# Altium PCB LAY-94611_B.PcbDoc (part 12 of 16) (continued)
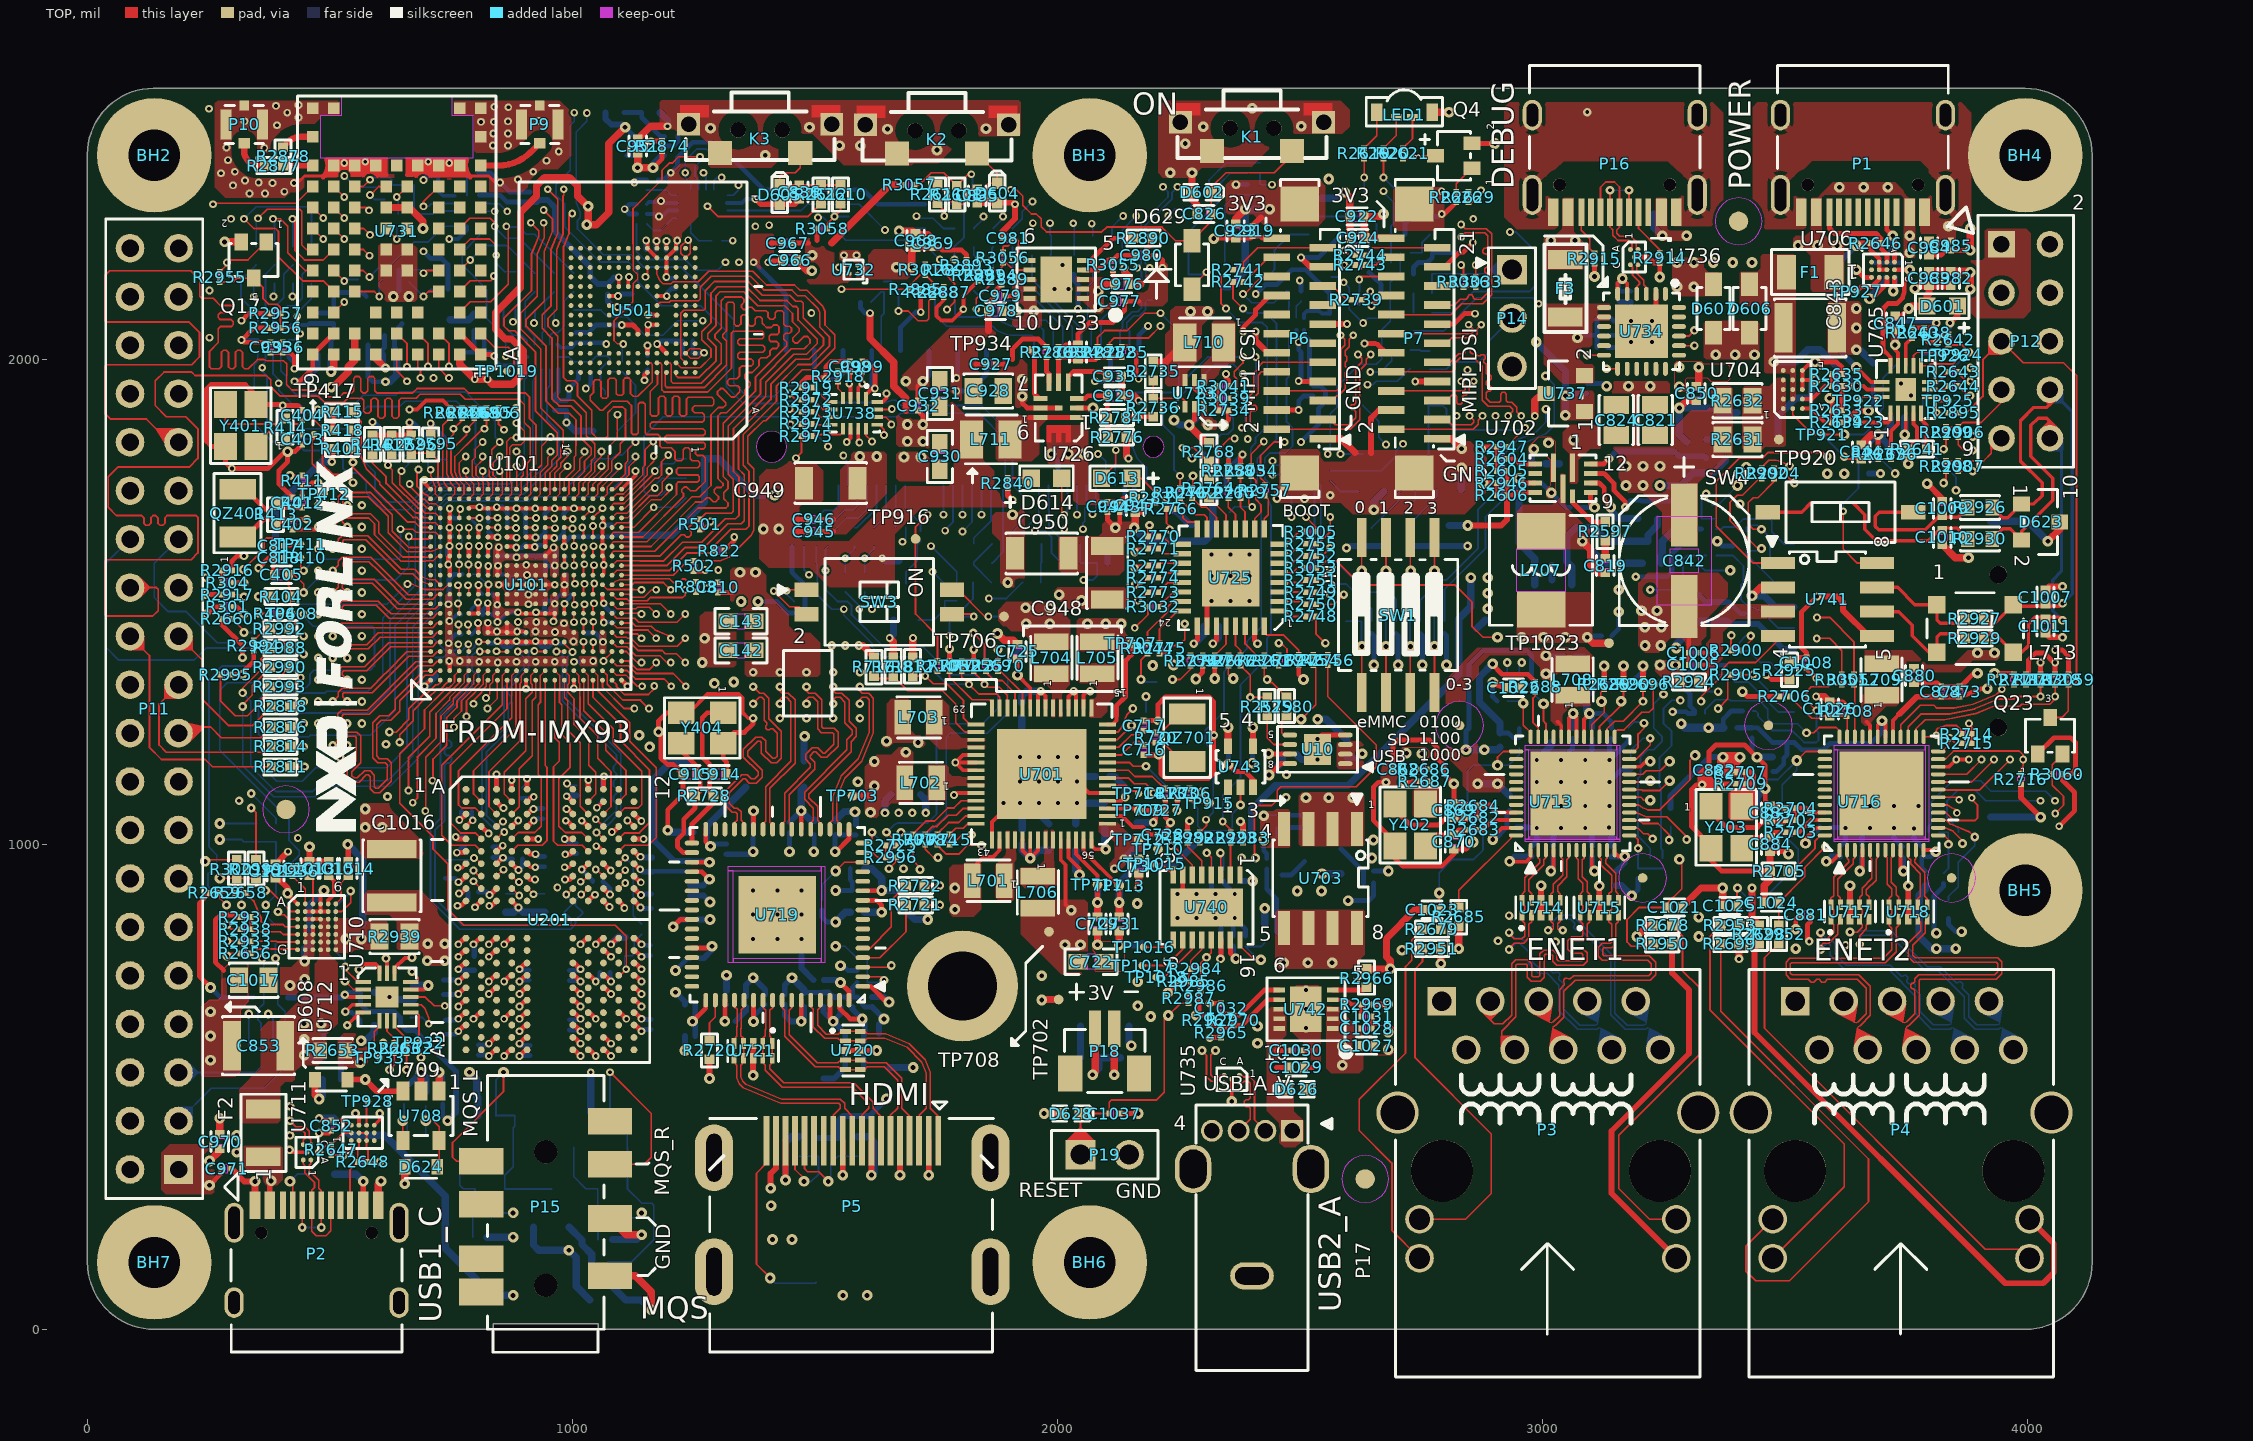
[diagram p0: TOP view]
## Nets (pads, with @x,y where several pads share a name; then routed paths per layer and width w, separated by ;. In a path a pad name is that pad's centre, name@x,y a point inside that pad or via, vN(x,y) a via of type N, cw(c..) or ccw(c..) an arc to the next point about the centre after c; other vN are vias at no path point) (continued)
  BOTTOM w3.62: v5(1199.8,1736) 1183.8,1720 1155.8,1720 1147.8,1728 1147.8,1842 1187.8,1882 1465.8,1882 v3(1527.3,1820.5) ; v11(3338.03,1723.1) 3328.49,1713.56 3328.49,1699.93 3328.43,1699.87 R2897.2@3328.43,1671.51 R2899.1@3358.43,1671.51
SD2_NDET: D617.4 P13.9 R2899.2 | length 204
  BOTTOM w3.62: R2899.2@3358.43,1650.49 3370.5,1650.49 3374.62,1654.61 D617.4@3393.59,1654.61 3398.59,1654.61 3414.98,1671 3469.81,1671 3473.43,1667.38 3473.43,1644.99 3499.17,1619.25 P13.9@3519.41,1619.25
SD2_RESET_B: R312.2 R723.2 U101.AA17 | length 1465.6
  TOP w3.2: U101.AA17@1101.45,1653.6 1126.4,1653.6 v4(1167.8,1695)
  ART03 w3.09: v22(1300.8,1566) 1314.71,1579.91 1490.89,1579.91 1504.8,1566 1504.8,1547.8 1522.8,1529.8 1654.63,1529.8 1720.13,1502.68 1757.8,1465.01 1757.8,1398.01 1789.81,1366 1822,1366 1835,1353 1835,1322 1871,1286 2087,1286 2108.5,1307.5 2180.34,1307.5 v11(2182.84,1305)
  ART06 w4: v4(1167.8,1695) 1183.8,1695 1300.8,1578 v22(1300.8,1566)
  BOTTOM w3.62: v4(1167.8,1695) 1214.56,1695 R312.2@1234.6,1715.04 ; 2182.84,1273.2 v11(2182.84,1305)
SD2_VSEL: R812.1 U101.V18 U701.29 | length 1316.9
  TOP w3.62: U101.V18@1042.39,1673.29 v4(1062.28,1693.17) ; R812.1@1701.76,1347.2 v4(1727.8,1347.2) 1744,1331 1771.8,1331 1806.8,1296 1806.8,1260.01 1819.45,1247.36 U701.29@1831.97,1247.36
  ART06 w4: v4(1062.28,1693.17) 1062.28,1678.41 1094.8,1645.89 1094.8,1436 1133.8,1397 1326.8,1397 1352.8,1371 1352.8,1254 1364.8,1242 1599.8,1242 1705,1347.2 v4(1727.8,1347.2)
SD3_CLK: R2808.1 R2824.1 U101.V16 | length 1623.4
  TOP w3.62: U101.V16@1042.39,1633.92 1042.39,1656.2 v3(1042.48,1656.29)
  ART03 w3.09: v3(1042.48,1656.29) 1057.19,1671 1098.31,1671 1124.75,1681.95 1147.56,1704.76 1167.46,1713 1194.32,1713 1203.7,1716.89 1242.8,1755.99 1242.8,1826.44 1266.79,1884.36 1387.39,2004.96 1416.94,2017.2 1468.73,2017.2 1540.9,2047.1 1603.98,2110.18 1641.49,2125.72 1670.64,2154.87 1708.2,2170.43 1719.4,2181.63 1719.4,2215.21 1724.63,2227.83 1743.8,2247 1757.36,2252.62 1798.2,2293.46 1840.53,2311 1890.38,2311 1914.53,2301 1987.3,2301 2011.56,2276.74 2014.04,2270.76 2022.8,2262 2128.8,2262 v3(2162.8,2296)
  BOTTOM w3.62: 2112.72,2200 2122.8,2200 2133.8,2211 2133.8,2267 v3(2162.8,2296)
SD3_CMD: R2809.1 R2825.1 U101.U16 | length 1571.2
  TOP w3.62: v3(1020.25,1653.45) 1022.71,1650.99 U101.U16@1022.71,1633.92
  ART03 w3.09: v3(1020.25,1653.45) 1044.88,1678.08 1067.08,1678.08 1085,1696 1110.8,1696 1167.79,1752.99 1207.8,1752.99 1222.8,1767.99 1222.8,1813.09 1219.18,1816.71 1214.42,1816.71 1210.8,1820.33 1210.8,1825.45 1214.42,1829.07 1219.18,1829.07 1222.8,1832.69 1222.8,1837.81 1219.18,1841.43 1214.42,1841.43 1210.8,1845.05 1210.8,1850.17 1214.42,1853.79 1219.18,1853.79 1222.8,1857.41 1222.8,1868 1392.8,2038 1466.8,2038 1483.8,2055 1504.8,2055 1536.8,2087 1536.8,2099 1568.8,2131 1604.8,2131 1643.8,2170 1643.8,2196.99 1659.81,2213 1682.81,2213 1742.8,2272.99 1742.8,2314 1763.8,2335 1788.25,2335 1791.87,2331.38 1791.87,2321.62 1795.49,2318 1800.61,2318 1804.23,2321.62 1804.23,2331.38 1807.85,2335 1915,2335 1920,2340 1974.31,2340 2033,2281.31 v3(2033,2281)
  BOTTOM w3.62: v3(2033,2281) 2035,2279 R2809.1@2035,2253.96 R2825.1@2035,2214.96
SD3_DATA0: R2812.1 R2826.1 U101.T16 | length 1541.6
  TOP w3.62: U101.T16@1003.02,1633.92 1003.02,1615.88 v3(1003.73,1615.17)
  ART03 w3.09: v3(1003.73,1615.17) 1029.56,1641 1113.69,1641 1117.31,1644.62 1117.31,1655.38 1120.93,1659 1126.05,1659 1129.67,1655.38 1129.67,1644.62 1133.29,1641 1138.41,1641 1142.03,1644.62 1142.03,1672.9 1145.13,1676 1153.49,1676 1157.11,1672.38 1157.11,1646.62 1160.73,1643 1165.85,1643 1169.47,1646.62 1169.47,1672.38 1173.09,1676 1190.81,1676 1274.8,1759.99 1274.8,1852 1421.6,1998.8 1492.6,1998.8 1502.8,2009 1530.8,2009 1600.8,2079 1624.8,2079 1632.8,2087 1632.8,2091 1672.4,2130.6 1694.4,2130.6 1738.8,2175 1738.8,2213.01 1753.27,2227.48 1758.25,2227.48 1801.77,2271 1909.8,2271 1930.8,2250 1954.06,2250 v3(1985.1,2281.04)
  BOTTOM w3.62: v3(1985.1,2281.04) 1985.1,2257.54 R2812.1@1987.6,2255.04 1987.6,2217.04 R2826.1@1985.6,2215.04
SD3_DATA1: R2819.1 R2827.1 U101.V14 | length 1593.7
  TOP w3.62: U101.V14@1042.39,1594.55 1042.39,1614.05 v3(1043.37,1615.03)
  ART03 w3.09: v3(1043.37,1615.03) 1057.63,1629.29 1089.51,1629.29 1099.8,1619 1167.8,1619 1286.8,1738 1286.8,1750.96 1290.42,1754.58 1315.18,1754.58 1318.8,1758.2 1318.8,1763.32 1315.18,1766.94 1290.42,1766.94 1286.8,1770.56 1286.8,1775.68 1290.42,1779.3 1315.18,1779.3 1318.8,1782.92 1318.8,1788.04 1315.18,1791.66 1290.42,1791.66 1286.8,1795.28 1286.8,1800.4 1290.42,1804.02 1315.18,1804.02 1318.8,1807.64 1318.8,1812.76 1315.18,1816.38 1290.42,1816.38 1286.8,1820 1286.8,1825.12 1290.42,1828.74 1315.18,1828.74 1318.8,1832.36 1318.8,1837.48 1315.18,1841.1 1290.42,1841.1 1286.8,1844.72 1286.8,1849 1426.2,1988.4 1498.2,1988.4 1507.8,1998 1534.8,1998 1603.8,2067 1645.74,2067 1649.36,2070.62 1649.36,2083.38 1652.98,2087 1658.1,2087 1661.72,2083.38 1661.72,2070.62 1665.34,2067 1671.8,2067 1691.8,2087 1691.8,2113.29 1752.01,2173.5 1763.67,2173.5 1767.29,2177.12 1767.29,2185.38 1770.91,2189 1776.03,2189 1779.65,2185.38 1779.65,2177.12 1783.27,2173.5 1791.3,2173.5 1805.8,2188 1805.8,2220 1819.8,2234 1879.92,2234 1907.72,2206.2 v3(1910.22,2206.2)
  BOTTOM w3.62: 1907.72,2180 1907.72,2203.7 v3(1910.22,2206.2) 1907.84,2208.58 1907.84,2232.2
SD3_DATA2: R2820.1 R2828.1 U101.U14 | length 1579.5
  TOP w3.62: U101.U14@1022.71,1594.55 1022.71,1611.52 v3(1023.53,1612.34)
  ART03 w3.09: v3(1023.53,1612.34) 1035.93,1599.94 1173.74,1599.94 1271.8,1698 1278.51,1698 1282.13,1701.62 1282.13,1717.38 1285.75,1721 1290.87,1721 1294.49,1717.38 1294.49,1701.62 1298.11,1698 1304.81,1698 1308.43,1701.62 1308.43,1739.38 1312.05,1743 1317.17,1743 1320.79,1739.38 1320.79,1701.62 1324.41,1698 1331.8,1698 1336.8,1703 1336.8,1852.04 1333.18,1855.66 1320.42,1855.66 1316.8,1859.28 1316.8,1864.4 1320.42,1868.02 1333.18,1868.02 1336.8,1871.64 1336.8,1883.29 1343.63,1890.12 1348.73,1890.11 1353.75,1885.09 1358.87,1885.09 1362.49,1888.71 1362.5,1893.83 1357.48,1898.85 1357.48,1903.97 1361.11,1907.6 1366.21,1907.59 1371.23,1902.57 1376.35,1902.57 1379.97,1906.19 1379.98,1911.31 1374.96,1916.33 1374.96,1921.45 1431.51,1978 1450.91,1978 1454.53,1974.38 1454.53,1960.62 1458.15,1957 1463.27,1957 1466.89,1960.62 1466.89,1974.38 1470.51,1978 1475.63,1978 1479.25,1974.38 1479.25,1960.62 1482.87,1957 1487.99,1957 1491.61,1960.62 1491.61,1974.38 1495.23,1978 1502.8,1978 1511.8,1987 1539.8,1987 1606.8,2054 1673.51,2054 1702.2,2082.69 1702.2,2108.98 1749.22,2156 1793.8,2156 1820.8,2183 1820.8,2212 1830.8,2222 1849.42,2222 v3(1865.22,2206.2)
  BOTTOM w3.62: 1867.72,2180 1867.72,2203.7 v3(1865.22,2206.2) 1865.22,2229.58 1867.84,2232.2
SD3_DATA3: R2821.1 R2829.1 U101.T14 | length 1562.5
  TOP w3.62: U101.T14@1003.02,1594.55 1003.02,1575.56 v3(1003.66,1574.92)
  ART03 w3.09: v3(1003.66,1574.92) 1003.66,1580.97 1017.5,1594.81 1025.72,1594.81 1030.07,1590.46 1179.26,1590.46 1276.3,1687.5 1338.3,1687.5 1347.8,1697 1347.8,1709.04 1351.42,1712.66 1370.18,1712.66 1373.8,1716.28 1373.8,1721.4 1370.18,1725.02 1351.42,1725.02 1347.8,1728.64 1347.8,1733.76 1351.42,1737.38 1370.18,1737.38 1373.8,1741 1373.8,1746.12 1370.18,1749.74 1351.42,1749.74 1347.8,1753.36 1347.8,1758.48 1351.42,1762.1 1370.18,1762.1 1373.8,1765.72 1373.8,1770.84 1370.18,1774.46 1351.42,1774.46 1347.8,1778.08 1347.8,1857 1354.09,1863.29 1359.21,1863.29 1366.09,1856.41 1371.21,1856.41 1374.83,1860.03 1374.83,1865.15 1367.95,1872.03 1367.95,1877.15 1371.57,1880.77 1376.69,1880.77 1388.57,1868.89 1393.69,1868.89 1397.31,1872.51 1397.31,1877.63 1385.43,1889.51 1385.43,1894.63 1399.6,1908.8 1399.6,1913.92 1393.72,1919.8 1393.72,1924.92 1397.34,1928.54 1402.46,1928.54 1408.34,1922.66 1413.46,1922.66 1417.08,1926.28 1417.08,1931.4 1411.2,1937.28 1411.2,1942.4 1414.82,1946.02 1419.94,1946.02 1425.82,1940.14 1430.94,1940.14 1436.8,1946 1500.7,1946 1503.8,1949.1 1503.8,1964 1515.8,1976 1544.8,1976 1611.8,2043 1696.8,2043 1742.8,2089 1742.8,2120 1764.3,2141.5 1803.3,2141.5 1837.8,2176 v3(1837.8,2206.2)
  BOTTOM w3.62: 1827.72,2180 1827.72,2194.92 1837.8,2205 v3(1837.8,2206.2) 1837.6,2206.2 1827.84,2215.96 1827.84,2232.2
SD3_NRST: R2764.2 R2768.1 R3037.1 R3038.1 | length 1931.2
  TOP w3.62: v3(2257.8,1818) 2281.8,1818 2309.6,1790.2 R2768.1@2312.76,1790.2 R2764.2@2312.76,1753.2
  ART03 w3.09: v3(1757.8,2206.2) 1763,2206.2 1809.2,2252.4 1893.4,2252.4 1937.8,2208 1937.8,2192 1908.8,2163 1865.8,2163 1823.8,2121 1797.8,2121 1789.8,2113 1789.8,2091 1720.8,2022 1617.8,2022 1550.8,1955 1550.8,1929 1507.6,1885.8 1507.6,1771.94 1530.54,1749 1780.76,1749 1827.66,1795.9 1939.7,1795.9 1980.8,1837 2003.81,1837 2027.81,1861 2214.8,1861 v3(2257.8,1818)
  BOTTOM w3.62: 1727.84,2232.2 1731.8,2232.2 v3(1757.8,2206.2) 1757.8,2189.84 1747.76,2179.8
SD_CLK: D617.1 P13.5 R2901.2 | length 267.5
  BOTTOM w3.62: 3358.94,1595.55 D617.1@3393.59,1595.55 3415,1574.14 3415,1540 3410,1535 3410,1504.5 3420.35,1494.15 3451.08,1481.42 3486.47,1446.03 P13.5@3519.41,1446.03
SD_CMD: D616.5 P13.3 R2900.2 | length 216.6
  TOP w3.62: 3410.51,1400 3410.51,1400.51 3432.44,1422.44 3432.44,1427.56 v15(3430,1430)
  BOTTOM w3.62: v15(3430,1430) 3420,1430 3406.15,1416.15 D616.5@3406.15,1398.76 3426.23,1398.76 3449.99,1375 3469.99,1375 3485.58,1359.41 P13.3@3519.41,1359.41
SD_DATA0: D617.7 P13.7 R2902.2 | length 378.2
  TOP w3.62: v15(3452.43,1610) 3445,1610 3387,1668 3387,1705 3402,1720 3412.99,1720 3447.48,1754.49 3452.8,1754.49
  BOTTOM w3.62: v15(3452.43,1610) 3447.82,1605.39 D617.7@3421.15,1605.39 3421.15,1598.84 3487.35,1532.64 P13.7@3519.41,1532.64
SD_DATA1: D617.5 P13.8 R2904.2 | length 323.9
  TOP w3.62: v15(3452.43,1649.76) 3435.24,1649.76 3425,1660 3425,1705 3435,1715 3444.99,1715 3477.8,1747.81 3477.8,1754.49
  BOTTOM w3.62: D617.5@3421.15,1644.76 3421.15,1652.72 3426.43,1658 3444.19,1658 v15(3452.43,1649.76) 3470,1632.19 3470,1585 3479.05,1575.95 P13.8@3519.41,1575.95
SD_DATA2: D616.1 P13.1 R2903.2 | length 211.2
  BOTTOM w3.62: 3343.94,1340 3355,1340 3364.55,1349.55 D616.1@3378.59,1349.55 3382.87,1349.55 3397.42,1335 3424.99,1335 3487.19,1272.8 P13.1@3519.41,1272.8
SD_DATA3: D616.7 P13.2 R2905.2 | length 155.1
  TOP w3.62: 3410.51,1350 v15(3434.43,1350)
  BOTTOM w3.62: D616.7@3406.15,1359.39 3425.04,1359.39 v15(3434.43,1350) 3468.33,1316.1 P13.2@3519.41,1316.1
SPI3_CLK: R2817.1 U729.4 | length 1152.2
  BOTTOM w3.62: R2817.1@377.8,1285 397.8,1265 430.8,1265 436.8,1271 576.8,1271 623.77,1317.97 623.77,1461.77 685,1523 685,1692.99 728.01,1736 883.79,1736 918.3,1770.51 918.3,1955.49 922.05,1959.24 U729.4@922.05,1979.21
SPI3_CS0: R2810.1 U729.2 | length 1348.6
  BOTTOM w3.62: R2810.1@377.8,1160 377.8,1142.2 390,1130 442.8,1130 470.8,1158 617,1158 659,1200 659,1459 706,1506 706,1689.5 738.5,1722 899.8,1722 971.8,1794 971.8,1852 947.8,1876 947.8,1940.01 953.55,1945.76 U729.2@953.55,1979.21
SPI3_MISO: R2813.1 U729.5 | length 1223.5
  BOTTOM w3.62: R2813.1@377.8,1202 352.8,1227 352.8,1298 366.8,1312 489.8,1312 493.8,1316 577.8,1316 608.77,1346.97 608.77,1466.76 676,1533.99 676,1694 725,1743 870.8,1743 900.8,1773 900.8,1957.99 906.3,1963.49 U729.5@906.3,1979.21
SPI3_MOSI: R2815.1 U729.3 | length 1209.4
  BOTTOM w3.62: R2815.1@377.8,1242 397.8,1222 456.8,1222 459.8,1225 583.8,1225 634.18,1275.38 634.18,1451.18 696,1513 696,1692 733,1729 891.78,1729 936.8,1774.02 936.8,1978.21 U729.3@937.8,1979.21
SPI3_SW_EN: R2961.1 U748.2 | length 623.9
  TOP w3.2: v5(1104.8,2032) 1092.8,2032 1085.8,2039 1085.8,2080 1124.8,2119 1124.8,2146.12 1125.09,2146.41 1125.09,2156.29 1134.8,2166 1134.8,2175 1125.18,2184.62 1125.18,2239.38
  TOP w3.62: 1125.18,2239.38 1125.18,2311.38 1184.8,2371 1184.8,2390 1199.8,2405 1205.79,2405 1218.79,2418 v5(1263.3,2418)
  BOTTOM w3.62: R2961.1@1102.8,1995.51 1102.8,2030 v5(1104.8,2032) ; U748.2@1259.93,2350.69 1259.93,2369.87 1252.8,2377 1252.8,2397.13 1263.3,2407.63 v5(1263.3,2418)
SPI_OE: Q18.3 R2958.2 R2959.2 R2960.1 U729.12 | length 208.1
  BOTTOM w3.62: U729.12@969.49,2005 992.81,2005 1002.3,1995.51 R2958.2@1012.8,1995.51 R2960.1@1037.8,1995.51 1049.29,2007 1071.79,2007 1077.8,2000.99 R2959.2@1077.8,1995.51 1073.32,1995.51 1057.8,1979.99 1057.8,1945 1067.8,1935 Q18.3@1067.8,1927.47
SUSCLK: P8.50 R2852.1 | length 107.5
  BOTTOM w3.62: P8.50@1686.38,1740 1686.38,1693.61 1717.8,1662.19 R2852.1@1717.8,1645.51
SYS_NRST: C1037.2 D628.1 P19.1 R706.1 R2987.2 TP915.1 | length 1299
  TOP w3.62: P19.1@2047.8,360 D628.1@2047.8,445 C1037.2@2107.29,445 2107.29,468.6 2111.69,473 2204.8,473 2220.8,489 2220.8,639 v19(2228.8,647) 2254.29,672.49 2270.8,672.49 ; 2272.8,1094.49 2282.29,1085 TP915.1@2312.8,1085 2312.8,1092 v20(2296.8,1108)
  ART06 w4: v19(2228.8,647) 2207,668.8 2207,739 2292,824 2382,824 2393,835 2393,876 2433,916 2433,972 2402,1003 2402,1086 2380,1108 v20(2296.8,1108)
TCPC1_NINT: R2661.2 R2756.1 U712.10 | length 3065.4
  TOP w3.62: U712.10@667.01,669.25 688.55,669.25 695.56,662.24 703.8,642.34 v3(703.8,630) ; v11(2408.8,972) 2406.8,974 2406.8,1074 2412.8,1080 2441.8,1080 2453.8,1092 2453.8,1112 2460.8,1119 2616.8,1119 2657.8,1160 2657.8,1205 2557.8,1305 2557.8,1369.49
  ART03 w3.09: v3(703.8,630) 715.8,630 847.8,498 1091.8,498 1183.8,590 1183.8,934.29 1265.11,1015.6 1298.49,1015.6 1362.09,952 1488.8,952 1515.8,925 1649.8,925 1682.8,892 1766.8,892 1773.8,885 1962,885 2003,844 2161.8,844 2234.8,917 2362.8,917 2408.8,963 v11(2408.8,972)
  BOTTOM w3.62: 666.31,643 690.8,643 v3(703.8,630)
TCPC_NINT: R2642.2 R2748.2 TP926.1 U705.10 | length 2105.6
  TOP w3.62: 2533.31,1470 2533.31,1434.49 v11(2552.8,1415) ; U705.10@3765.55,1987.21 3765.55,2007.75 3772.8,2015 3810,2015 3817,2008 TP926.1@3827.8,2008 3827.8,2020.49 3837.8,2030.49 3838.29,2030 3865,2030 v15(3880,2015)
  ART03 w3.09: v11(2552.8,1415) 2552.8,1420 2645.2,1512.4 2772.2,1512.4 2792.8,1533 2895,1533 2915,1513 3101.8,1513 3169,1580.2 3307.6,1580.2 3394.8,1493 3621.8,1493 3853.3,1724.5 v11(3853.3,1730)
  BOTTOM w3.62: v11(3853.3,1730) 3853.3,1756.7 3785,1825 3785,1920 v15(3880,2015)
TXAVCC_1V8: C908.1 C909.1 C910.1 FB31.2 R2720.2 U719.54 U719.59 | length 520.5
  TOP w10: v14(1373.59,634.79) U719.54@1373.59,678.82 ; v14(1472.01,635) U719.59@1472.01,678.82
  TOP w12: v14(1282.84,517.04) R2720.2@1282.84,556.8
  ART03 w15: v14(1282.84,517.04) 1282.84,544.04 v14(1373.59,634.79) 1471.8,634.79 v14(1472.01,635)
  BOTTOM w10: v14(1373.59,634.79) 1373.59,645.28 1397.8,669.49
  BOTTOM w12: 1437.8,669.49 1437.8,647 1449.8,635 v14(1472.01,635) 1477.8,640.79 C908.1@1477.8,665.24
TXAVCC_3V3: C885.1 C886.1 FB23.2 U719.63 | length 208.8
  TOP w10: U719.63@1550.75,678.82 1550.75,662.05 1572.8,640 v7(1597.8,640)
  BOTTOM w12: 1577.8,664.49 1577.8,660 v7(1597.8,640) 1603.04,634.76 1603.04,610 1600.8,607.76 FB23.2@1600.8,540
TXEMEM_VPP: R2727.1 U719.1 | length 106.6
  TOP w10: U719.1@1598.98,707.36 1615.44,707.36 1647.8,675 v7(1652.8,675)
  BOTTOM w12: R2727.1@1617.8,685.51 1642.29,685.51 v7(1652.8,675)
TXREXT: R2720.1 U719.50 | length 89
  TOP w3.62: R2720.1@1282.84,594.8 1282.84,632.05 1294.85,644.06 U719.50@1294.85,678.82
UART1_RXD: R2975.1 U101.E20 | length 940
  TOP w3.2: v9(780.01,1770.5) 780.01,1759.32 796.42,1742.91 796.42,1722.59 U101.E20@786.49,1712.66
  TOP w3.62: v9(1461.31,1796.5) 1472.29,1807.48 1472.29,1842
  ART08 w3.09: v9(780.01,1770.5) 809.51,1741 1084.8,1741 1114.8,1771 1114.8,1836 1134.3,1855.5 1296.3,1855.5 1366.02,1785.78 1400.73,1771.4 1433.21,1771.4 1458.31,1796.5 v9(1461.31,1796.5)
UART2_RXD: R2974.1 U101.F20 | length 846.6
  TOP w3.2: U101.F20@806.17,1712.66 816.05,1722.54 816.05,1746.75 801.3,1761.5 801.3,1779.49 815.01,1793.2 v9(815.01,1800)
  TOP w3.62: v9(1449.8,1866) 1450.8,1867 1472.29,1867
  ART08 w3.09: v9(815.01,1800) 831.01,1784 859.8,1784 880.8,1763 1068.8,1763 1075.8,1770 1075.8,1813 1128.39,1865.59 1365.39,1865.59 1368.8,1869 1446.8,1869 v9(1449.8,1866)
UART5_CTSI: R2838.2 R2839.1 R3018.2 | length 40
  BOTTOM w3.62: R2838.2@2734.6,2096.54 R3018.2@2734.6,2136.54
UART5_RTSO: R2836.2 R2837.1 R3017.2 | length 40.7
  BOTTOM w3.62: R2836.2@2727.76,2019.3 2748,2019.3 2749.6,2017.7 2767.84,2017.7
UART5_RXD: R2834.2 R2835.1 R2841.2 | length 80.7
  BOTTOM w3.62: R2841.2@1966,1539.96 R2834.2@1966,1579.96 1967.6,1581.56 R2835.1@1967.6,1620.04
UART5_TXD: R2830.2 R2832.2 R2833.1 | length 110.9
  BOTTOM w3.62: R2830.2@1864,1539.96 1827.6,1576.36 R2832.2@1827.6,1580.04 1827.6,1582.04 R2833.1@1865.6,1620.04
UART_NWAKE: R2751.2 R2853.1 R2855.1 R2859.1 | length 788.9
  TOP w3.62: 2533.31,1545 2542.8,1545 v11(2562.8,1565)
  ART03 w3.09: v3(2053.8,1545) 2091,1545 2160.6,1475.4 2235.49,1475.4 2245.49,1485.4 2284.11,1485.4 2293.71,1475.8 2443.6,1475.8 2532.8,1565 v11(2562.8,1565)
  BOTTOM w3.62: R2853.1@2047.4,1620 R2855.1@2047.4,1580 2082.29,1580 2082.29,1553.98 2073.31,1545 v3(2053.8,1545)
  BOTTOM w12: R2859.1@2103.31,1580 2103.31,1604.51 2110.8,1612
USB1_CC1: R2647.2 U709.A2 U712.13 | length 711.7
  TOP w3.62: v6(477.8,365) 493.31,380.51 502.8,380.51 503.31,380.51 527.8,405 U709.A2@544.18,405 ; U712.13@667.01,716.5 677.79,716.5 681.42,720.11 681.42,725.24 v6(669.3,737.4)
  ART08 w3.09: v6(477.8,365) 497.8,385 578.8,385 627.8,434 627.8,440 672.8,485 717.8,485 747.8,515 747.8,535 671.4,611.4 671.4,735.3 v6(669.3,737.4)
USB1_CC2: R2648.2 TP1034.1 U709.B2 U709.C1 U709.C2 U712.14 | length 730.8
  TOP w3.62: U709.B2@559.93,405 U709.C2@575.67,405 U709.C1@575.67,389.25 575.67,372.12 578.31,369.48 578.31,345 v6(602.8,345)
  TOP w8: U712.14@633.55,734.21 633.55,744.75 654.8,766 668.8,766 v6(669.3,766.5)
  ART08 w3.09: v6(602.8,345) 672.8,415 672.8,441 699.15,467.35 723.15,467.35 764.8,509 764.8,540 681.8,623 681.8,717 686.8,722 686.8,744 669.3,761.5 v6(669.3,766.5)
  BOTTOM w3.62: TP1034.1@575,345 v6(602.8,345)
USB1_DM: U101.A14 U711.C1 | length 2032.5
  TOP w3.2: 695.6,1592.62 696.4,1592.62 697.2,1591.82 705.02,1591.82 U101.A14@707.75,1594.55
  TOP w3.49: v11(417.8,430) 429.9,417.9 447.9,417.9 457.25,408.55 457.25,394.56 460.67,391.14 U711.C1@460.67,380.75 ; v11(505.8,1654.45) 516.4,1665.05 516.4,1671.65 526.55,1681.8 583.65,1681.8 600.8,1664.65 600.8,1642.2 650.38,1592.62 695.6,1592.62
  ART03 w3.34: v11(417.8,430) 427.8,420 439,420 446,427 446,532.15 500.8,586.95 500.8,833.15 510.8,843.15 510.8,912.85 468.65,955 403.8,955 377.8,981 377.8,1004.16 462.21,1088.57 486.22,1088.57 587.15,1189.5 644.13,1189.5 651.21,1196.58 658.8,1204.16 658.8,1333 680.5,1354.7 680.5,1552.3 660.8,1572 641.65,1572 611.03,1602.62 606.31,1602.62 605.11,1601.43 600.39,1601.43 595.66,1606.16 595.66,1610.88 596.86,1612.08 596.86,1616.79 586.15,1627.5 525.65,1627.5 515.8,1637.35 515.8,1649.45 510.8,1654.45 v11(505.8,1654.45)
USB1_DP: U101.B14 U711.C2 | length 2032.5
  TOP w3.2: 695.6,1583.82 696.4,1583.82 697.2,1584.62 712.42,1584.62 722.35,1594.55 U101.B14@727.43,1594.55
  TOP w3.49: v11(417.8,400) 426.9,409.1 444.25,409.1 448.45,404.9 448.45,393.65 444.93,390.13 U711.C2@444.93,380.75 ; v11(535.8,1654.45) 525.2,1665.05 525.2,1668 530.2,1673 580,1673 592,1661 592,1638.55 646.73,1583.82 695.6,1583.82
  ART03 w3.34: v11(417.8,400) 427.8,410 443.15,410 456,422.85 456,528 510.8,582.8 510.8,829 520.8,839 520.8,917 472.8,965 407.95,965 387.8,985.15 387.8,1000.01 466.36,1078.57 490.37,1078.57 591.3,1179.5 648.28,1179.5 658.28,1189.5 665.87,1197.08 ; v11(535.8,1654.45) 530.8,1654.45 525.8,1649.45 525.8,1641.5 529.8,1637.5 590.3,1637.5 645.8,1582 664.95,1582 690.5,1556.45 690.5,1350.55 668.8,1328.85 668.8,1200 665.88,1197.08
USB1_ID: R2660.2 U101.C11 | length 510.3
  TOP w3.2: v5(659.8,1537) 668.49,1537 696.13,1525.55 733.35,1525.55 743.29,1535.49 U101.C11@747.12,1535.49
  TOP w3.62: 298.31,1465 322.8,1440.51 v15(322.8,1437)
  BOTTOM w3.62: v15(322.8,1437) 337.3,1437 395.3,1495 617.8,1495 v5(659.8,1537)
USB1_VBUS_IN: C1014.2 R2939.1 R2940.1 U710.C6 U710.D6 U710.E6 U710.F6 U710.G6
  other v7: 532.8,805 564.8,805
USB2_DN: R2804.1 R2807.1 U101.A15 | length 2399.1
  TOP w3.2: 695.6,1612.3 696.4,1612.3 697.2,1611.5 705.02,1611.5 U101.A15@707.75,1614.23
  TOP w3.49: v6(505.8,1699.45) 512.2,1699.45 517.4,1704.65 517.4,1717.16 526.04,1725.8 583,1725.8 628.8,1680 628.8,1646 662.5,1612.3 695.6,1612.3
  ART08 w3.34: v6(505.8,1699.45) 515.8,1709.45 515.8,1719.16 520.8,1731.24 520.8,1818.4 549.66,1847.27 585.8,1934.48 585.8,1992.93 635.87,2043 751.02,2043 773.02,2065 859.11,2065 888.04,2059.25 995.06,2059.25 1029.81,2094 1103.64,2094 1129.64,2120 1168.95,2120 1180.7,2108.25 1462.9,2108.25 1477.65,2123 1640.8,2123 1647.3,2129.5 2031.15,2129.5 2073.65,2172 2108.8,2172 2114.8,2166 2119.78,2166 2123.78,2170 2133.14,2170 2137.14,2166 2169.22,2166 2172.72,2169.5 2172.72,2180.98 v9(2164.72,2188.98)
  BOTTOM w3.62: 2157.72,2160 2169.88,2160 2173.88,2164 2173.88,2179.82 v9(2164.72,2188.98) 2173.06,2197.32 2173.06,2211 2169.06,2215 2157.88,2215
USB2_DP: R2803.1 R2806.1 U101.B15 | length 2401.7
  TOP w3.2: 695.6,1603.5 696.4,1603.5 697.2,1604.3 710.48,1604.3 722.46,1609.26 U101.B15@727.43,1614.23
  TOP w3.49: v6(535.8,1699.45) 529.69,1699.45 526.2,1702.94 526.2,1713.51 529.69,1717 579.35,1717 620,1676.35 620,1642.35 658.85,1603.5 695.6,1603.5
  ART08 w3.34: v6(535.8,1699.45) 525.8,1709.45 525.8,1717.17 530.8,1729.25 530.8,1814.25 558.15,1841.6 595.8,1932.49 595.8,1988.8 640,2033 755.1,2033 777.1,2055 858.12,2055 887.1,2049.25 999.21,2049.25 1033.96,2084 1107.79,2084 1133.79,2110 1164.8,2110 1176.55,2098.25 1467.05,2098.25 1481.8,2113 1644.95,2113 1651.45,2119.5 2035.3,2119.5 2077.8,2162 2104.65,2162 2110.65,2156 2173.37,2156 2182.72,2165.35 2182.72,2180.98 v9(2190.72,2188.98)
  BOTTOM w3.62: 2197.72,2160 2186.38,2160 2182.38,2164 2182.38,2180.64 v9(2190.72,2188.98) 2181.56,2198.14 2181.56,2210.84 2185.72,2215 2197.88,2215
USB2_HOST_DN: R2804.2 U735.C1 | length 3187.2
  TOP w3.49: v20(2326.2,575) 2316.6,565.4 2316.6,524.6 2320.8,520.4 2333.2,520.4 2336.67,523.87 U735.C1@2344.05,523.87
  ART06 w3.64: v4(2217.88,2355.98) 2228.48,2345.38 2228.48,2336.58 2240.06,2325 2292.8,2325 2352.8,2385 2422.8,2385 2457.8,2420 2702.8,2420 2727.8,2395 2727.8,2215 2822.8,2120 2822.8,2050 2877.8,1995 2877.8,1940 2862.8,1925 2827.8,1925 2757.8,1855 2757.8,1690 2647.8,1580 2647.8,1470 2597.8,1420 2597.8,1380 2622.8,1355 2622.8,1340 2662.8,1300 2662.8,1170 2642.8,1150 2642.8,1065 2617.8,1040 2617.8,925 2630,912.8 2630,875 2601.2,846.2 2601.2,673.4 2507.09,579.29 2501.95,579.29 2501.09,580.15 2495.95,580.15 2490.79,574.99 2490.79,569.85 2491.65,568.99 2491.65,563.85 2484.41,556.61 2426.52,556.61 2422.88,560.25 2422.88,563.36 2419.24,567 2411.96,567 2408.32,563.36 2408.32,560.25 2404.68,556.61 2397.4,556.61 2393.76,560.25 2393.76,563.36 2390.12,567 2382.84,567 2379.2,563.36 2379.2,560.25 2375.56,556.61 2368.28,556.61 2364.64,560.25 2364.64,563.36 2361,567 2353.72,567 2350.08,563.36 2350.08,560.25 2346.44,556.61 2320.24,556.61 2316.6,560.25 2316.6,565.4 v20(2326.2,575)
  BOTTOM w3.62: 2157.88,2253 2169.8,2253 2173.3,2256.5 2173.3,2280 2228.3,2335 2228.3,2345.56 v4(2217.88,2355.98)
USB2_HOST_DP: R2803.2 U735.C2 | length 3186.1
  TOP w3.49: v20(2298.2,575) 2307.8,565.4 2307.8,520.95 2317.15,511.6 2334.2,511.6 2337.67,508.13 U735.C2@2344.05,508.13
  ART06 w3.64: v4(2247.88,2355.98) 2237.28,2345.38 2237.28,2340.23 2243.71,2333.8 2289.15,2333.8 2349.15,2393.8 2419.15,2393.8 2454.15,2428.8 2706.45,2428.8 2736.6,2398.65 2736.6,2218.65 2831.6,2123.65 2831.6,2053.65 2886.6,1998.65 2886.6,1936.35 2866.45,1916.2 2831.45,1916.2 2766.6,1851.35 2766.6,1686.35 2656.6,1576.35 2656.6,1466.35 2606.6,1416.35 2606.6,1383.65 2631.6,1358.65 2631.6,1343.65 2671.6,1303.65 2671.6,1166.35 2651.6,1146.35 2651.6,1061.35 2626.6,1036.35 2626.6,928.65 2638.8,916.45 2638.8,871.35 2610,842.55 2610,669.75 2488.06,547.81 2316.59,547.81 2307.8,556.6 2307.8,565.4 v20(2298.2,575)
  BOTTOM w3.62: 2197.88,2253 2186.3,2253 2181.8,2257.5 2181.8,2276.47 2236.8,2331.47 2236.8,2344.9 v4(2247.88,2355.98)
USB2_ID: R2917.1 U101.E12 | length 1073.7
  TOP w3.62: 298.31,1515 317.8,1515 v6(322.8,1510) ; v9(786.02,1577.42) 786.49,1576.95 U101.E12@786.49,1555.18
  TOP w10: v10(244,1515) R2917.1@277.29,1515
  ART08 w3.09: v6(322.8,1510) 338.8,1494 367.8,1494 423.8,1438 423.8,1378 427.8,1374 457.8,1374 464.8,1367 573.8,1367 588.8,1382 604.8,1382 665.8,1443 713.8,1443 729.3,1427.5 729.3,1410.5 741.8,1398 784.8,1398 792.8,1390 792.8,1371 801.8,1362 854.8,1362 862.3,1369.5 862.3,1541.7 854,1550 804.8,1550 786.02,1568.78 v9(786.02,1577.42)
USB_CC1_PD: P1.A5 R2645.1 U706.A1 | length 145.7
  TOP w10: P1.A5@3710.64,2303.34 3710.64,2267.16 v7(3722.8,2255) 3726.42,2251.38 U706.A1@3726.42,2200.75
  BOTTOM w10: R2645.1@3717.8,2220.51 3717.8,2250 v7(3722.8,2255)
USB_CC2_PD: P1.B5 R2646.1 U706.B1 | length 201.8
  TOP w10: P1.B5@3592.53,2303.34 3592.53,2270 3602.53,2260 3688.3,2260 3698.31,2249.99 3698.31,2240 3698.31,2229.49 3710.67,2217.13 U706.B1@3710.67,2200.75
USB_DEBUG_DN: P16.A7 P16.B7 U736.A1 | length 241.2
  TOP w3.49: v15(3139.77,2349.05) P16.A7@3139.78,2303.34 3139.77,2273.23 3145.22,2267.78 3145.22,2256.32 3156.34,2245.2 3179.44,2245.2 3185.3,2239.34 3185.3,2230.12 U736.A1@3181.93,2226.75 ; P16.B7@3179.14,2303.34 v15(3179.14,2349.05)
  BOTTOM w3.49: v15(3139.77,2349.05) v15(3179.14,2349.05)
USB_DEBUG_DP: P16.A6 P16.B6 U736.A2 | length 262.7
  TOP w3.49: P16.B6@3120.1,2303.34 3120.09,2355.09 3131.05,2366.05 3148.95,2366.05 3159.46,2355.54 P16.A6@3159.47,2303.34 3159.46,2272.46 3154.02,2267.02 3154.02,2259.97 3159.99,2254 3183.09,2254 3194.1,2242.99 3194.1,2230.32 U736.A2@3197.67,2226.75
USB_I2C_SCL: R2643.2 R2662.2 R2666.2 R2673.2 R2742.1 R2743.1 R2923.1 R2934.2 R2993.2 TP1060.1 | length 8332.1
  TOP w3.62: R2993.2@416,1325.04 421.84,1325.04 439.8,1343 v5(439.8,1344) ; v25(657.8,535) 657.8,569.49 ; v4(2341.33,1047) 2357.8,1030.53 2357.8,1024.51 ; 2362.29,2160 2362.29,2125.51 v3(2382.8,2105) ; v3(2591.8,2195) 2614.29,2195 ; 3858.31,1974.5 3858.31,1971.5 3874.81,1955 v11(3882.8,1955)
  ART03 w3.09: v3(2382.8,2105) 2502.8,2105 2532.8,2135 2532.8,2175 2552.8,2195 v3(2591.8,2195) 2568.8,2218 2568.8,2233.58 2591.22,2256 2780.8,2256 2831.8,2307 2875.8,2307 2900.8,2282 2900.8,2261 2917.4,2244.4 2957.2,2244.4 2992.8,2280 3767.8,2280 3807.8,2240 3807.8,2185 3899.8,2093 3899.8,1972 v11(3882.8,1955)
  ART06 w4: v25(657.8,535) 637.8,555 614.8,555 602.8,543 602.8,512 580.8,490 533.8,490 492.8,531 446.8,531 409.8,568 409.8,674 395.98,687.82 395.98,721.13 426.03,751.18 426.03,806.73 498.3,879 620.8,879 741.8,1000 801.8,1000 819.8,982 819.8,933 855.8,897 855.8,860 874.8,841 1189.8,841 1216.8,868 1251.8,868 1258.8,861 1258.8,835 1278.8,815 1292.8,815 1343.8,764 1443.8,764 1498.8,709 1498.8,689 1533.8,654 1547.8,654 1559.8,642 1559.8,605 1609.8,555 1658.8,555 1692.8,521 1715.8,521 1722.3,527.5 2020.31,527.5 2142.3,649.49 2142.3,725.49 2235.81,819 2251.8,819 2267.8,835 2267.8,907 2293.8,933 2332.8,933 2360.8,961 2360.8,1027.53 v4(2341.33,1047)
  ART08 w3.09: v6(317.8,875) 323.77,875 407.77,791 449.8,791 476.8,764 566.8,764 578.8,752 578.8,733.99 571.8,726.99 571.8,631 533.8,593 533.8,523 560.8,496 613.8,496 652.8,535 v25(657.8,535)
  BOTTOM w3.62: 347.84,833.2 317.8,863.24 v6(317.8,875) 317.8,886 348.76,916.96 348.76,929.8 321,929.8 320.63,930.17 314.97,930.17 292.8,908 253.8,908 248.8,913 248.8,940 266.8,958 266.8,978 250.8,994 250.8,1340.8 278,1368 415.8,1368 v5(439.8,1344) ; R2934.2@657.29,570 657.29,535.51 v25(657.8,535) ; v4(2341.33,1047) 2341.33,1101.47 2377.8,1137.94 2377.8,1329 2432.3,1383.5 2432.3,1424.5 2440.8,1433 2440.8,1696.34 2429.72,1723.08 2412.3,1740.5 2412.3,1795.3 2452.3,1835.3 2452.3,2073.7 2430,2096 2391.8,2096 v3(2382.8,2105) ; TP1060.1@3850,1955 v11(3882.8,1955)

## Text inside footprints (layer, text, board x,y; h text height)
R2946: Top Pin Number "2" at 2931.49,1752.09 h15 r180; Top Pin Number "1" at 2910.47,1752.09 h15 r180
R2947: Top Pin Number "2" at 2902.11,1812.91 h15; Top Pin Number "1" at 2923.13,1812.91 h15
R2950: Top Pin Number "2" at 3234.6,802.46 h15 r180; Top Pin Number "1" at 3269.38,802.46 h15 r180
R2951: Top Pin Number "2" at 2786,777.54 h15; Top Pin Number "1" at 2751.21,777.54 h15
R2952: Top Pin Number "2" at 3495.26,828.2 h15 r90; Top Pin Number "1" at 3495.26,793.41 h15 r90
R2953: Top Pin Number "2" at 3401.7,825.36 h15; Top Pin Number "1" at 3366.91,825.36 h15
R2954: Bottom Pin Number "2" at 2300.13,1812.09 h15 r180; Bottom Pin Number "1" at 2321.15,1812.09 h15 r180
R2955: Top Pin Number "2" at 265.71,2184.69 h15 r270; Top Pin Number "1" at 265.71,2163.67 h15 r270
R2956: Top Pin Number "2" at 402.49,2072.09 h15 r180; Top Pin Number "1" at 381.47,2072.09 h15 r180
R2957: Top Pin Number "2" at 373.11,2087.91 h15; Top Pin Number "1" at 394.13,2087.91 h15
R2958: Bottom Pin Number "2" at 1019.89,1999.69 h15 r90; Bottom Pin Number "1" at 1019.89,1978.67 h15 r90
R2959: Bottom Pin Number "2" at 1084.89,1999.69 h15 r90; Bottom Pin Number "1" at 1084.89,1978.67 h15 r90
R2960: Bottom Pin Number "2" at 1030.71,1970.31 h15 r270; Bottom Pin Number "1" at 1030.71,1991.33 h15 r270
R2961: Bottom Pin Number "2" at 1095.71,1970.31 h15 r270; Bottom Pin Number "1" at 1095.71,1991.33 h15 r270
R2965: Top Pin Number "2" at 2330.71,626.69 h15 r270; Top Pin Number "1" at 2330.71,605.67 h15 r270
R2966: Top Pin Number "2" at 2645.26,738.2 h15 r90; Top Pin Number "1" at 2645.26,703.41 h15 r90
R2967: Top Pin Number "2" at 2305.71,651.69 h15 r270; Top Pin Number "1" at 2305.71,630.67 h15 r270
R2969: Top Pin Number "2" at 2652.49,677.09 h15 r180; Top Pin Number "1" at 2631.47,677.09 h15 r180
R2970: Top Pin Number "2" at 2369.89,622.31 h15 r90; Top Pin Number "1" at 2369.89,643.33 h15 r90
R2972: Top Pin Number "2" at 1468.11,1909.91 h15; Top Pin Number "1" at 1489.13,1909.91 h15
R2973: Top Pin Number "2" at 1468.11,1884.91 h15; Top Pin Number "1" at 1489.13,1884.91 h15
R2974: Top Pin Number "2" at 1468.11,1859.91 h15; Top Pin Number "1" at 1489.13,1859.91 h15
R2975: Top Pin Number "2" at 1468.11,1834.91 h15; Top Pin Number "1" at 1489.13,1834.91 h15
R2976: Bottom Pin Number "2" at 2314,733.46 h15 r180; Bottom Pin Number "1" at 2279.22,733.46 h15 r180
R2977: Bottom Pin Number "2" at 2420.26,827.8 h15 r270; Bottom Pin Number "1" at 2420.26,793.02 h15 r270
R2978: Bottom Pin Number "2" at 2081,567.46 h15 r180; Bottom Pin Number "1" at 2046.22,567.46 h15 r180
R2979: Bottom Pin Number "2" at 2384.89,949.69 h15 r90; Bottom Pin Number "1" at 2384.89,928.67 h15 r90
R2980: Bottom Pin Number "2" at 2349.89,949.69 h15 r90; Bottom Pin Number "1" at 2349.89,928.67 h15 r90
R2981: Bottom Pin Number "2" at 2324.89,949.69 h15 r90; Bottom Pin Number "1" at 2324.89,928.67 h15 r90
R2982: Top Pin Number "2" at 2275.89,999.31 h15 r90; Top Pin Number "1" at 2275.89,1020.33 h15 r90
R2983: Top Pin Number "2" at 2389.89,999.31 h15 r90; Top Pin Number "1" at 2389.89,1020.33 h15 r90
R2984: Top Pin Number "2" at 2300.49,750.09 h15 r180; Top Pin Number "1" at 2279.47,750.09 h15 r180
R2985: Top Pin Number "2" at 2275.49,725.09 h15 r180; Top Pin Number "1" at 2254.47,725.09 h15 r180
R2986: Top Pin Number "2" at 2288.71,722.69 h15 r270; Top Pin Number "1" at 2288.71,701.67 h15 r270
R2987: Top Pin Number "2" at 2263.71,697.69 h15 r270; Top Pin Number "1" at 2263.71,676.67 h15 r270
R2988: Top Pin Number "2" at 411,1397.54 h15; Top Pin Number "1" at 376.21,1397.54 h15
R2990: Top Pin Number "2" at 411,1357.54 h15; Top Pin Number "1" at 376.21,1357.54 h15
R2992: Top Pin Number "2" at 411,1437.54 h15; Top Pin Number "1" at 376.21,1437.54 h15
R2993: Top Pin Number "2" at 411,1317.54 h15; Top Pin Number "1" at 376.21,1317.54 h15
R2994: Top Pin Number "2" at 335.71,1424.69 h15 r270; Top Pin Number "1" at 335.71,1403.67 h15 r270
R2995: Top Pin Number "2" at 270.31,1342.91 h15; Top Pin Number "1" at 291.33,1342.91 h15
R2996: Top Pin Number "2" at 1642.11,965.91 h15; Top Pin Number "1" at 1663.13,965.91 h15
R2997: Bottom Pin Number "2" at 1650.11,983.09 h15 r180; Bottom Pin Number "1" at 1671.13,983.09 h15 r180
R2998: Bottom Pin Number "2" at 396.26,1012.2 h15 r90; Bottom Pin Number "1" at 396.26,1046.98 h15 r90
R2999: Top Pin Number "2" at 355.26,963.2 h15 r90; Top Pin Number "1" at 355.26,928.41 h15 r90
R3000: Bottom Pin Number "2" at 356.26,1012.2 h15 r90; Bottom Pin Number "1" at 356.26,1046.98 h15 r90
R3001: Top Pin Number "2" at 315.26,963.2 h15 r90; Top Pin Number "1" at 315.26,928.41 h15 r90
R3002: Bottom Pin Number "2" at 2720.26,1692.8 h15 r270; Bottom Pin Number "1" at 2720.26,1658.02 h15 r270
R3005: Top Pin Number "2" at 2508.11,1637.91 h15; Top Pin Number "1" at 2529.13,1637.91 h15
R3015: Bottom Pin Number "2" at 780.31,2392.09 h15 r180; Bottom Pin Number "1" at 801.33,2392.09 h15 r180
R3016: Top Pin Number "2" at 1720.71,2199.69 h15 r270; Top Pin Number "1" at 1720.71,2178.67 h15 r270
R3017: Bottom Pin Number "2" at 2775.34,1986.7 h15 r90; Bottom Pin Number "1" at 2775.34,2021.48 h15 r90
R3018: Bottom Pin Number "2" at 2739.6,2129.04 h15; Bottom Pin Number "1" at 2774.38,2129.04 h15
R3019: Bottom Pin Number "2" at 2399.89,2364.69 h15 r90; Bottom Pin Number "1" at 2399.89,2343.67 h15 r90
R3020: Bottom Pin Number "2" at 2360.71,2380.31 h15 r270; Bottom Pin Number "1" at 2360.71,2401.33 h15 r270
R3021: Bottom Pin Number "2" at 2410.71,2380.31 h15 r270; Bottom Pin Number "1" at 2410.71,2401.33 h15 r270
R3022: Bottom Pin Number "2" at 2424.89,2364.69 h15 r90; Bottom Pin Number "1" at 2424.89,2343.67 h15 r90
R3023: Bottom Pin Number "2" at 1128.11,2287.09 h15 r180; Bottom Pin Number "1" at 1149.13,2287.09 h15 r180
R3024: Bottom Pin Number "2" at 1312.49,2237.91 h15; Bottom Pin Number "1" at 1291.47,2237.91 h15
R3025: Bottom Pin Number "2" at 1170.71,2345.31 h15 r270; Bottom Pin Number "1" at 1170.71,2366.33 h15 r270
R3026: Bottom Pin Number "2" at 1145.71,2345.31 h15 r270; Bottom Pin Number "1" at 1145.71,2366.33 h15 r270
R3027: Bottom Pin Number "2" at 1314.69,2402.91 h15; Bottom Pin Number "1" at 1293.67,2402.91 h15
R3028: Bottom Pin Number "2" at 2328.2,1950.96 h15 r180; Bottom Pin Number "1" at 2293.42,1950.96 h15 r180
R3029: Bottom Pin Number "2" at 677.49,2352.91 h15; Bottom Pin Number "1" at 656.47,2352.91 h15
R3030: Bottom Pin Number "2" at 603.11,2367.09 h15 r180; Bottom Pin Number "1" at 624.13,2367.09 h15 r180
R3031: Bottom Pin Number "2" at 1619.49,2110.91 h15; Bottom Pin Number "1" at 1598.47,2110.91 h15
R3032: Top Pin Number "2" at 2212.49,1497.09 h15 r180; Top Pin Number "1" at 2191.47,1497.09 h15 r180
R3033: Top Pin Number "2" at 2855.71,2174.69 h15 r270; Top Pin Number "1" at 2855.71,2153.67 h15 r270
R3034: Bottom Pin Number "2" at 2598.11,2144.09 h15 r180; Bottom Pin Number "1" at 2619.13,2144.09 h15 r180
R3035: Bottom Pin Number "2" at 2598.11,2119.09 h15 r180; Bottom Pin Number "1" at 2619.13,2119.09 h15 r180
R3036: Top Pin Number "2" at 2830.71,2174.69 h15 r270; Top Pin Number "1" at 2830.71,2153.67 h15 r270
R3037: Bottom Pin Number "2" at 1740.26,2172.8 h15 r270; Bottom Pin Number "1" at 1740.26,2138.02 h15 r270
R3038: Bottom Pin Number "2" at 1735.34,2239.2 h15 r90; Bottom Pin Number "1" at 1735.34,2273.98 h15 r90
R3039: Top Pin Number "2" at 2357.49,1927.09 h15 r180; Top Pin Number "1" at 2336.47,1927.09 h15 r180
R3040: Top Pin Number "2" at 2259.89,1710.31 h15 r90; Top Pin Number "1" at 2259.89,1731.33 h15 r90
R3041: Top Pin Number "2" at 2357.49,1952.09 h15 r180; Top Pin Number "1" at 2336.47,1952.09 h15 r180
R3042: Bottom Pin Number "2" at 2846.56,892 h25; Bottom Pin Number "1" at 2956.8,892 h25
R3043: Bottom Pin Number "1" at 3429.8,956 h25 r270; Bottom Pin Number "2" at 3429.8,1066.24 h25 r270
R3044: Top Pin Number "2" at 2178.71,1418.69 h15 r270; Top Pin Number "1" at 2178.71,1397.67 h15 r270
R3045: Bottom Pin Number "2" at 3215.71,946.33 h15 r270; Bottom Pin Number "1" at 3215.71,967.35 h15 r270
R3046: Bottom Pin Number "2" at 2920.71,1325.31 h15 r270; Bottom Pin Number "1" at 2920.71,1346.33 h15 r270
R3047: Bottom Pin Number "2" at 3240.71,946.33 h15 r270; Bottom Pin Number "1" at 3240.71,967.35 h15 r270
R3048: Bottom Pin Number "2" at 2945.71,1325.31 h15 r270; Bottom Pin Number "1" at 2945.71,1346.33 h15 r270
R3049: Bottom Pin Number "2" at 3792.61,1032.09 h15 r180; Bottom Pin Number "1" at 3813.63,1032.09 h15 r180
R3050: Bottom Pin Number "2" at 3862.49,1017.91 h15; Bottom Pin Number "1" at 3841.47,1017.91 h15
R3051: Top Pin Number "2" at 3610.71,1354.69 h15 r270; Top Pin Number "1" at 3610.71,1333.67 h15 r270
R3052: Top Pin Number "2" at 3635.71,1354.69 h15 r270; Top Pin Number "1" at 3635.71,1333.67 h15 r270
R3053: Top Pin Number "2" at 2508.11,1562.91 h15; Top Pin Number "1" at 2529.13,1562.91 h15
R3054: Top Pin Number "2" at 2407.09,1755.31 h15 r90; Top Pin Number "1" at 2407.09,1776.33 h15 r90
R3055: Top Pin Number "2" at 2122.09,2180.31 h15 r90; Top Pin Number "1" at 2122.09,2201.33 h15 r90
R3056: Top Pin Number "2" at 1895.09,2195.31 h15 r90; Top Pin Number "1" at 1895.09,2216.33 h15 r90
R3057: Top Pin Number "2" at 1680.31,2352.91 h15; Top Pin Number "1" at 1701.33,2352.91 h15
R3058: Top Pin Number "2" at 1500.31,2262.91 h15; Top Pin Number "1" at 1521.33,2262.91 h15
R3059: Top Pin Number "2" at 4077.91,1354.69 h15 r270; Top Pin Number "1" at 4077.91,1333.67 h15 r270
R3060: Top Pin Number "2" at 4077.18,1152.09 h15 r180; Top Pin Number "1" at 4056.16,1152.09 h15 r180
SW1: Top Overlay "ON" at 2575,1515 h30 r90; Top Pin Number "1" at 2634.8,1304 h15 r90; Top Pin Number "8" at 2784.8,1624 h15 r90; Top Pin Number "6" at 2734.8,1624 h15 r90; Top Pin Number "4" at 2684.8,1624 h15 r90; Top Pin Number "7" at 2784.8,1304 h15 r90; Top Pin Number "5" at 2734.8,1304 h15 r90; Top Pin Number "3" at 2684.8,1304 h15 r90; Top Pin Number "2" at 2634.8,1624 h15 r90; Top Assembly "1" at 2622.42,1332 h20; Top Assembly "2" at 2671.13,1332 h20; Top Assembly "3" at 2721.13,1332 h20; Top Assembly "4" at 2769.66,1332 h20; Top Assembly "ON" at 2593.18,1597 h20
SW3: Top Overlay "2" at 1455,1415 h30; Top Overlay "ON" at 1724,1509 h30 r90; Top Pin Number "1" at 1474.8,1525 h20 r270; Top Pin Number "2" at 1474.8,1475 h20 r270; Top Pin Number "3" at 1774.8,1475 h20 r270; Top Pin Number "4" at 1774.8,1525 h20 r270
SW4: Top Pin Number "2" at 3761,1685 h10 r270; Top Pin Number "1" at 3461,1685 h10 r270
TP917: Bottom Pin Number "1" at 3069.8,1772.62 h20 r270
TP918: Bottom Pin Number "1" at 3192.8,1987.62 h20 r270
TP919: Bottom Pin Number "1" at 2450.18,2210 h20
U10: Top Overlay "8" at 2447.12,1172.55 h15 r180; Top Overlay "5" at 2447.3,1234.24 h15 r180; Top Pin Number "5" at 2483.65,1222.57 h8 r90; Top Pin Number "6" at 2483.65,1202.88 h8 r90; Top Pin Number "8" at 2483.65,1163.51 h8 r90; Top Pin Number "9" at 2540.74,1193.04 h8 r90; Top Pin Number "7" at 2483.65,1183.2 h8 r90; Top Pin Number "4" at 2597.83,1222.57 h8 r90; Top Pin Number "3" at 2597.83,1202.88 h8 r90; Top Pin Number "2" at 2597.83,1183.2 h8 r90; Top Pin Number "1" at 2597.83,1163.51 h8 r90